# Altium PCB PCB4.PcbDoc (part 2 of 2)
Units mil, origin at the board's own origin, x right, y up, seen from the top; angles counter-clockwise.
Board outline 2730 x 2700 mil, 4 copper layers (Top Layer, Mid Layer 1, Mid Layer 2, Bottom Layer), stack 61.811 mil thick; 60 components, 114 nets, 427 pads, 240 vias.
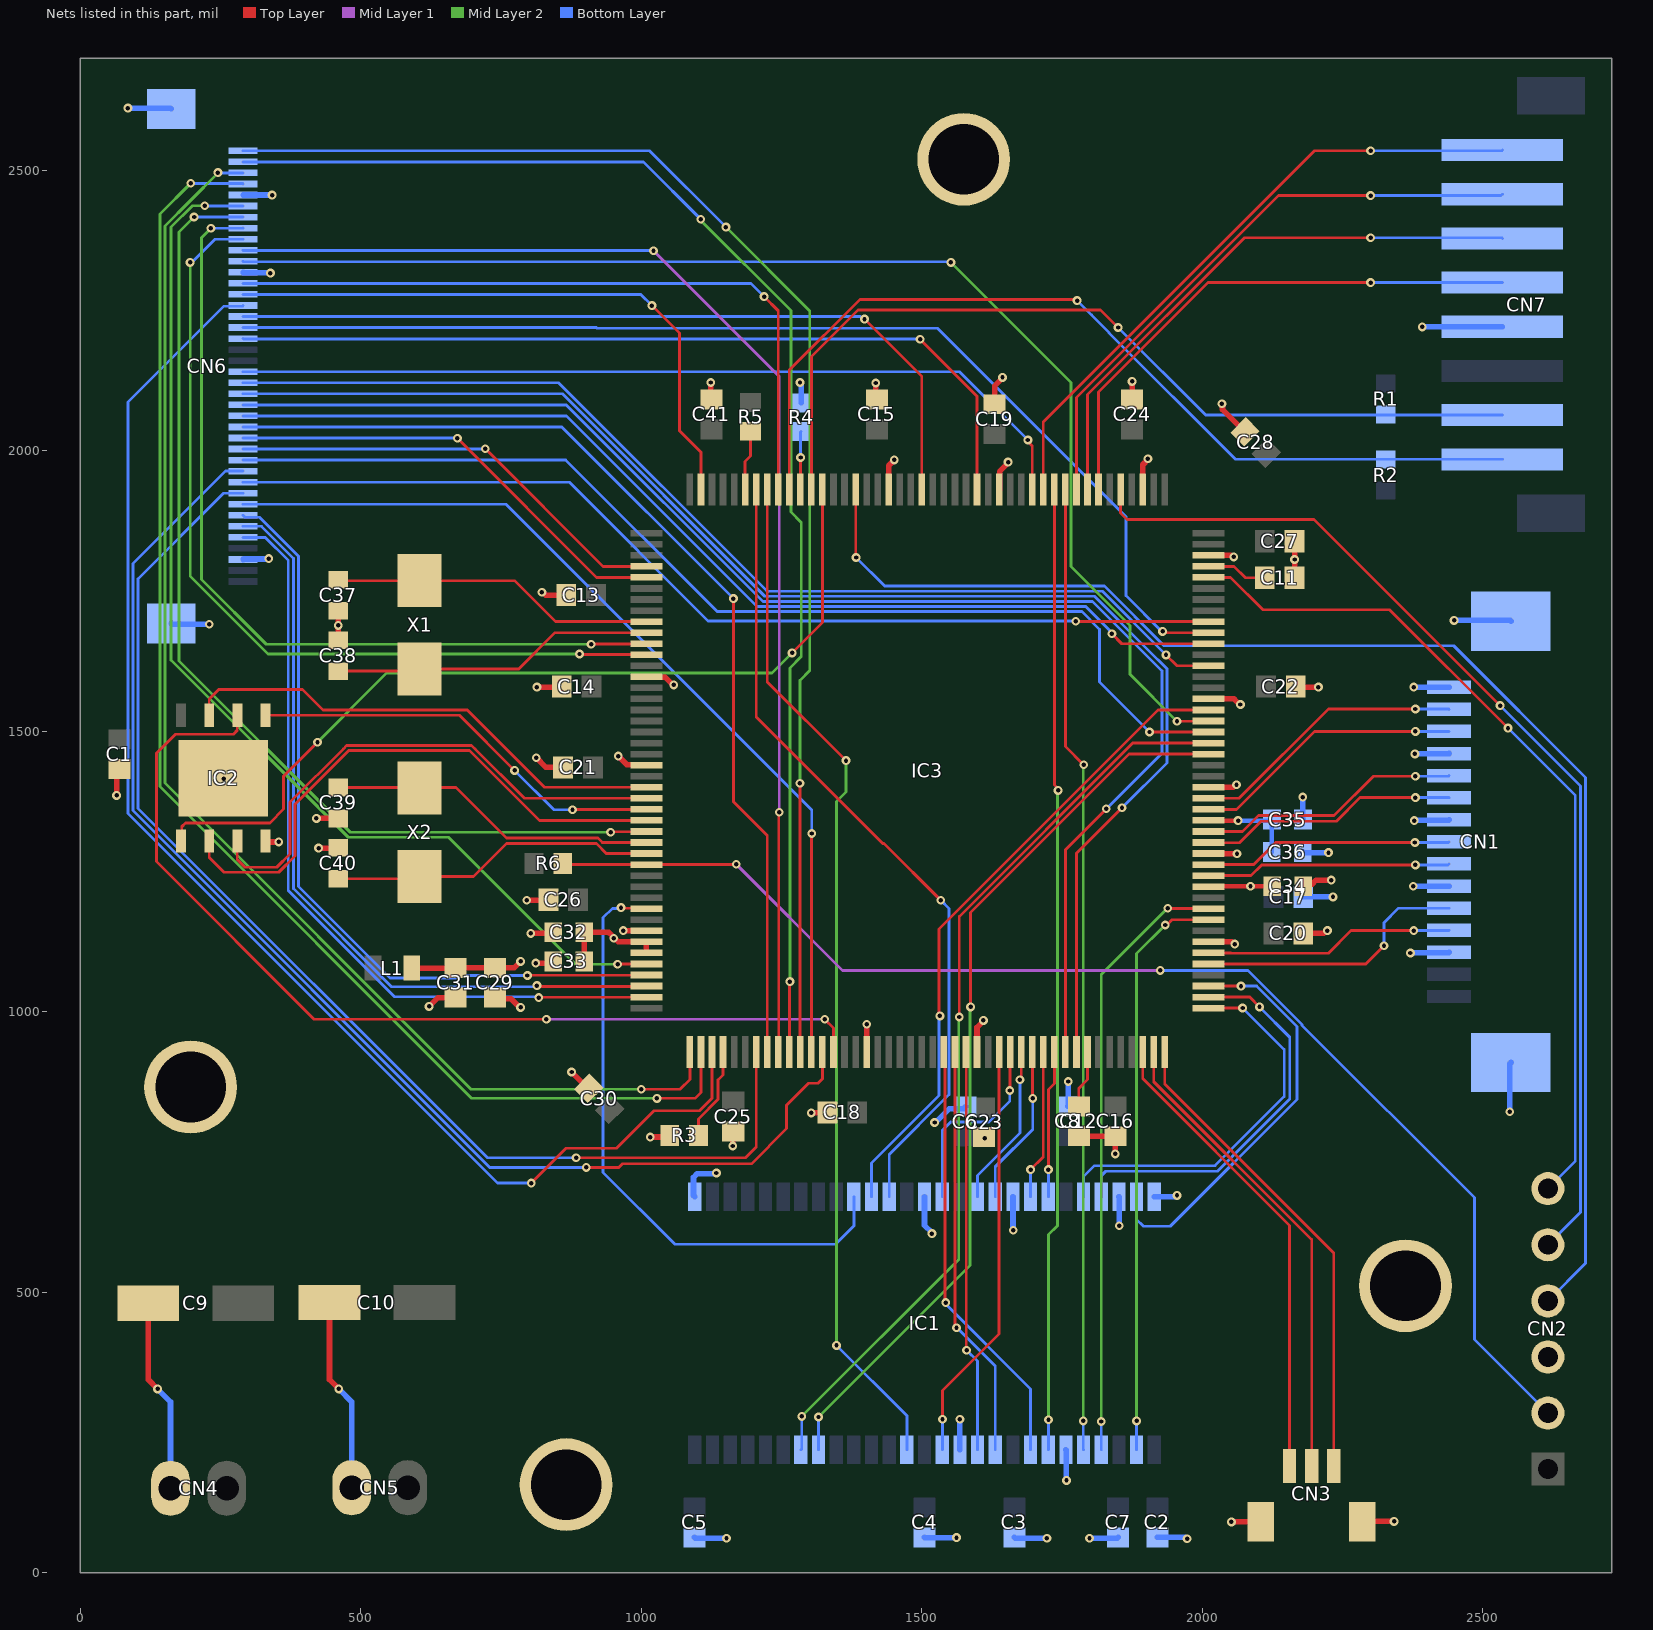
[diagram p4: the nets of this part, all layers, seen from the top]

## Via types
v1: diameter 15.75, hole 7.87, Top Layer to Bottom Layer, 240 vias

## Nets (pads, with @x,y where several pads share a name; then routed paths per layer and width w, separated by ;. In a path a pad name is that pad's centre, name@x,y a point inside that pad or via, vN(x,y) a via of type N, cw(c..) or ccw(c..) an arc to the next point about the centre after c; other vN are vias at no path point) (continued)
B2: CN6.23 IC3.150 | length 1517.3
  Top Layer w5: v1(1497,2199) 1598.58,2097.42 IC3.150@1598.58,1930.98
  Bottom Layer w5: CN6.23@290.32,2200.21 290.92,2199.61 1496.39,2199.61 v1(1497,2199)
B3: CN6.24 IC3.123 | length 2028.4
  Top Layer w5: v1(1929.23,1678.29) 1931.29,1676.24 1937.36,1676.24 1937.53,1676.06 IC3.123@2010.98,1676.06
  Bottom Layer w5: CN6.24@290.32,2219.9 920.12,2219.9 921.3,2218.72 1528.01,2218.72 1864,1882.73 1864,1742 1927.71,1678.29 v1(1929.23,1678.29)
B4: CN6.25 IC3.155 | length 1455.9
  Top Layer w5: v1(1398,2235) 1500.16,2132.84 IC3.155@1500.16,1930.98
  Bottom Layer w5: CN6.25@290.32,2239.58 1390.51,2239.58 1395.09,2235 v1(1398,2235)
B5: CN6.26 IC3.47 | length 2469.3
  Top Layer w5: v1(804,695) 866,757 956,757 1023,824 1104,824 1126.14,846.14 IC3.47@1126.14,929.02
  Bottom Layer w5: CN6.26@290.32,2259.27 289.05,2258 256,2258 85,2087 85,1354 744,695 v1(804,695)
B6: CN6.27 IC3.175 | length 1101.2
  Top Layer w5: v1(1019,2259) 1068,2210 1068,2036 1106.46,1997.54 IC3.175@1106.46,1930.98
  Bottom Layer w5: CN6.27@290.32,2278.95 999.05,2278.95 v1(1019,2259)
B7: CN6.28 IC3.168 | length 1293
  Top Layer w5: v1(1219,2275) 1244.25,2249.75 IC3.168@1244.25,1930.98
  Bottom Layer w5: CN6.28@290.32,2298.64 1195.36,2298.64 v1(1219,2275)
BA0: IC1.20 IC3.112 | length 1610.9
  Top Layer w5: v1(1587,1009) 1587,1177.27 1869.26,1459.53 IC3.112@2010.98,1459.53
  Mid Layer 2 w5: v1(1316,278) 1586,548 1586,1008 v1(1587,1009)
  Bottom Layer w5: IC1.20@1316.02,219.49 v1(1316,278)
BA1: IC1.21 IC3.113 | length 1639.6
  Top Layer w5: v1(1567,991) 1567,1170 1876.21,1479.21 IC3.113@2010.98,1479.21
  Mid Layer 2 w5: v1(1286,279) 1566,559 1566,990 v1(1567,991)
  Bottom Layer w5: IC1.21@1284.53,219.49 1286,220.96 v1(1286,279)
CAM_CS: CN7.1 IC3.144 | length 1139.7
  Top Layer w5: IC3.144@1716.69,1930.98 1716.69,2051.69 2200,2535 v1(2300,2535)
  Bottom Layer w5: v1(2300,2535) 2533.78,2535 CN7.1@2535,2536.22
CAM_MISO: CN7.3 IC3.140 | length 1025.3
  Top Layer w5: IC3.140@1795.43,1930.98 1795.43,2100.43 2075,2380 v1(2300,2380)
  Bottom Layer w5: v1(2300,2380) 2533.74,2380 CN7.3@2535,2378.74
CAM_MOSI: CN7.2 IC3.141 | length 1073.3
  Top Layer w5: IC3.141@1775.75,1930.98 1775.75,2094.89 2135.86,2455 v1(2300,2455)
  Bottom Layer w5: v1(2300,2455) 2532.52,2455 CN7.2@2535,2457.48
CAM_SCK: CN7.4 IC3.139 | length 974.7
  Top Layer w5: IC3.139@1815.12,1930.98 1815.12,2105.12 2010,2300 v1(2300,2300)
  Bottom Layer w5: v1(2300,2300) CN7.4@2535,2300
CAM_SCL: CN7.8 IC3.167 R2.1 | length 1654.7
  Top Layer w5: IC3.167@1263.94,1930.98 1263.94,2143.94 1390,2270 1775,2270 v1(1777,2268)
  Bottom Layer w5: v1(1777,2268) 1802.89,2242.11 1833.72,2211.28 1833.72,2210.47 2059.15,1985.04 2327,1985.04 CN7.8@2535,1985.04
CAM_SDA: CN7.7 IC3.165 R1.1 | length 1581
  Top Layer w5: IC3.165@1303.31,1930.98 1303.31,2168.31 1386.28,2251.28 1818.72,2251.28 v1(1850,2220)
  Bottom Layer w5: v1(1850,2220) 2006.22,2063.78 CN7.7@2535,2063.78
CKE: IC1.37 IC3.35 | length 1104.5
  Top Layer w5: v1(964,1186) 965.03,1184.97 1007.98,1184.97 IC3.35@1009.02,1183.94
  Bottom Layer w5: v1(964,1186) 962.65,1184.65 948.63,1184.65 932,1168.02 932,714 1060,586 1346,586 1379.02,619.02 IC1.37@1379.02,670.51
CLK: IC1.38 IC3.116 | length 1170.1
  Top Layer w5: v1(1532.28,993) 1531,994.28 1531,1148 1921.27,1538.27 IC3.116@2010.98,1538.27
  Bottom Layer w5: IC1.38@1410.51,670.51 1410.51,730.51 1531,851 1531,991.72 v1(1532.28,993)
CLKN: CN1.5 IC3.105 | length 470.2
  Top Layer w5: IC3.105@2010.98,1321.73 2071.73,1321.73 2100,1350 2235,1350 2305,1420 v1(2380,1420)
  Bottom Layer w5: v1(2380,1420) 2438.78,1420 CN1.5@2440,1421.22
CLKP: CN1.6 IC3.104 | length 462.6
  Top Layer w5: IC3.104@2010.98,1302.05 2011.49,1301.54 2066.54,1301.54 2105,1340 2239.14,1340 2281.14,1382 v1(2380,1382)
  Bottom Layer w5: v1(2380,1382) 2439.85,1382 CN1.6@2440,1381.85
CTP_IRQ: CN6.40 IC3.55 | length 2456.4
  Top Layer w5: v1(1282.81,1407.77) 1283.21,1407.36 1283.21,929.42 IC3.55@1283.62,929.02
  Mid Layer 2 w5: v1(1151,2399) 1300.36,2249.64 1300.36,1608.63 1282.81,1591.08 v1(1282.81,1407.77)
  Bottom Layer w5: CN6.40@290.32,2534.86 1015.14,2534.86 v1(1151,2399)
CTP_RST: CN6.39 IC3.54 | length 2425.1
  Top Layer w5: IC3.54@1263.94,929.02 1264.47,929.55 1264.47,1053.47 v1(1265,1054)
  Mid Layer 2 w5: v1(1106,2413) 1106,2411.02 1266.72,2250.3 1266.72,1891.28 1285.29,1872.71 1285.29,1633.27 1265,1612.98 v1(1265,1054)
  Bottom Layer w5: CN6.39@290.32,2515.17 1003.83,2515.17 v1(1106,2413)
CTP_SCL: CN6.38 IC3.45 | length 2390.7
  Top Layer w5: v1(1000,862.28) 1069.28,862.28 1086.77,879.77 IC3.45@1086.77,929.02
  Mid Layer 2 w5: v1(245.45,2496.12) 245.45,2495.2 196.26,2446.01 151,2400.75 151,1408 696.72,862.28 v1(1000,862.28)
  Bottom Layer w5: v1(245.45,2496.12) 246.08,2495.49 CN6.38@290.32,2495.49
CTP_SDA: CN6.37 IC3.46 | length 2463.2
  Top Layer w5: v1(1028,846) 1096,846 1106.46,856.46 IC3.46@1106.46,929.02
  Mid Layer 2 w5: v1(197,2477) 142,2422 142,1402 698,846 v1(1028,846)
  Bottom Layer w5: v1(197,2477) 197.6,2476.4 289.72,2476.4 CN6.37@290.32,2475.8
D0N: CN1.8 IC3.102 | length 445.8
  Top Layer w5: IC3.102@2010.98,1262.68 2091.68,1262.68 2131,1302 v1(2379,1302)
  Bottom Layer w5: v1(2379,1302) 2438.89,1302 CN1.8@2440,1303.11
D0P: CN1.9 IC3.101 | length 437.6
  Top Layer w5: IC3.101@2010.98,1242.99 2086.99,1242.99 2106,1262 v1(2380,1262)
  Bottom Layer w5: v1(2380,1262) 2438.26,1262 CN1.9@2440,1263.74
D1N: CN1.2 IC3.108 | length 495.2
  Top Layer w5: IC3.108@2010.98,1380.79 2065.79,1380.79 2225,1540 v1(2380,1540)
  Bottom Layer w5: v1(2380,1540) 2439.33,1540 CN1.2@2440,1539.33
D1P: CN1.3 IC3.107 | length 486.6
  Top Layer w5: IC3.107@2010.98,1361.1 2061.16,1361.1 2200.06,1500 v1(2380,1500)
  Bottom Layer w5: v1(2380,1500) CN1.3@2440,1499.96 CN1.3@2440,1499.96
DE: CN6.34 IC3.28 | length 1850
  Top Layer w5: v1(945.52,1320.34) 946.22,1321.03 1008.32,1321.03 IC3.28@1009.02,1321.73
  Mid Layer 2 w5: v1(203,2417) 176,2390 176,1625.75 481.41,1320.34 v1(945.52,1320.34)
  Bottom Layer w5: v1(203,2417) 203.13,2416.87 290.19,2416.87 CN6.34@290.32,2416.75
DISP: CN6.31 IC3.53 | length 2253.2
  Top Layer w5: IC3.53@1244.25,929.02 1245.13,929.89 1245.13,1355.13 v1(1246,1356)
  Mid Layer 1 w5: v1(1021.83,2356.79) 1246,2132.62 v1(1246,1356)
  Bottom Layer w5: CN6.31@290.32,2357.69 290.77,2357.24 1021.38,2357.24 v1(1021.83,2356.79)
DQ0: IC1.2 IC3.97 | length 1037.5
  Top Layer w5: v1(1934,1155) 1936.91,1155 1946.16,1164.25 IC3.97@2010.98,1164.25
  Mid Layer 2 w5: v1(1883,271) 1883,1104 v1(1934,1155)
  Bottom Layer w5: IC1.2@1882.95,219.49 1882.95,222.95 1883,223 v1(1883,271)
DQ1: IC1.4 IC3.98 | length 1087.5
  Top Layer w5: v1(1938.42,1184.97) 1938.93,1184.46 2010.47,1184.46 IC3.98@2010.98,1183.94
  Mid Layer 2 w5: v1(1820,270) 1820,1066.56 v1(1938.42,1184.97)
  Bottom Layer w5: IC1.4@1819.96,219.49 IC1.4@1819.96,219.49 v1(1820,270)
DQ2: IC1.5 IC3.142 | length 1725.4
  Top Layer w5: IC3.142@1756.06,1930.98 1756.06,1473.29 v1(1788.63,1440.72)
  Mid Layer 2 w5: v1(1788,271) 1788,1440.08 v1(1788.63,1440.72)
  Bottom Layer w5: v1(1788,271) 1788,219.95 IC1.5@1788.46,219.49
DQ3: IC1.7 IC3.143 | length 1721.5
  Top Layer w5: IC3.143@1736.38,1930.98 1736.38,1404.53 1743,1397.91 v1(1743,1395)
  Mid Layer 2 w5: v1(1726,273) 1726,603 1742,619 1742,1394 v1(1743,1395)
  Bottom Layer w5: IC1.7@1725.47,219.49 1726,220.02 v1(1726,273)
DQ4: IC1.8 IC3.68 | length 773.5
  Top Layer w5: IC3.68@1539.53,929.02 1541.23,927.31 1541.23,483.61 v1(1542.93,481.91)
  Bottom Layer w5: v1(1542.93,481.91) 1542.93,479.09 1693.98,328.05 IC1.8@1693.98,219.49
DQ5: IC1.10 IC3.69 | length 739.9
  Top Layer w5: IC3.69@1559.21,929.02 1559.21,442.7 1562,439.91 v1(1562,437)
  Bottom Layer w5: v1(1562,437) 1563.02,437 1630.98,369.04 IC1.10@1630.98,219.49
DQ6: IC1.11 IC3.70 | length 718.1
  Top Layer w5: IC3.70@1578.9,929.02 1579.45,928.47 1579.45,397.55 v1(1580,397)
  Bottom Layer w5: v1(1580,397) 1599.49,377.51 IC1.11@1599.49,219.49
DQ7: IC1.13 IC3.73 | length 751.6
  Top Layer w5: v1(1537,274) 1537,325 1637.95,425.95 IC3.73@1637.95,929.02
  Bottom Layer w5: IC1.13@1536.5,219.49 1537,219.99 v1(1537,274)
DQ8: IC1.42 IC3.74 | length 348.5
  Top Layer w5: v1(1657,860) 1657.32,860.32 1657.32,928.7 IC3.74@1657.64,929.02
  Bottom Layer w5: IC1.42@1536.5,670.51 1536.5,788.5 1551.62,803.62 1619.62,803.62 1657,841 v1(1657,860)
DQ9: IC1.44 IC3.75 | length 290.7
  Top Layer w5: v1(1675,879) 1677.32,881.32 IC3.75@1677.32,929.02
  Bottom Layer w5: IC1.44@1599.49,670.51 1599.49,708.49 1675,784 v1(1675,879)
DQ10: IC1.45 IC3.76 | length 286.7
  Top Layer w5: IC3.76@1697.01,929.02 1697.5,928.52 1697.5,846.5 v1(1698,846)
  Bottom Layer w5: IC1.45@1630.98,670.51 1631,724 1698,791 v1(1698,846)
DQ11: IC1.47 IC3.77 | length 267.9
  Top Layer w5: v1(1694,719) 1716.69,741.69 IC3.77@1716.69,929.02
  Bottom Layer w5: IC1.47@1693.98,670.51 v1(1694,719)
DQ12: IC1.48 IC3.78 | length 263
  Top Layer w5: v1(1725.72,719) 1726,719.28 1726,862 1736.38,872.38 IC3.78@1736.38,929.02
  Bottom Layer w5: IC1.48@1725.47,670.51 1725.72,670.76 v1(1725.72,719)
DQ13: IC1.50 IC3.89 | length 702.1
  Top Layer w5: IC3.89@2010.98,1006.77 2011.1,1006.89 2071.89,1006.89 v1(2072,1007)
  Bottom Layer w5: IC1.50@1788.46,670.51 1788.46,706.46 1808,726 2022.72,726 2146,849.28 2146,933 v1(2072,1007)
DQ14: IC1.51 IC3.90 | length 714.8
  Top Layer w5: IC3.90@2010.98,1026.46 2084.54,1026.46 v1(2102,1009)
  Bottom Layer w5: IC1.51@1819.96,670.51 1819.96,707.96 1828,716 2026.86,716 2156,845.14 2156,955 v1(2102,1009)
DQ15: IC1.53 IC3.91 | length 743
  Top Layer w5: IC3.91@2010.98,1046.14 2011.06,1046.07 2068.93,1046.07 v1(2069,1046)
  Bottom Layer w5: IC1.53@1882.95,670.51 1882.95,630.05 1895,618 1943,618 2169,844 2169,974 2097,1046 v1(2069,1046)
DQMH: IC1.39 IC3.170 | length 1448.1
  Top Layer w5: IC3.170@1204.88,1930.98 1204.94,1930.93 1204.94,1526.04 1430.59,1300.38 1432.62,1300.38 v1(1534,1199)
  Bottom Layer w5: IC1.39@1442.01,670.51 1442.01,746.01 1548.56,852.56 1548.56,1184.44 v1(1534,1199)
DQML: IC1.15 IC3.169 | length 1828.6
  Top Layer w5: IC3.169@1224.57,1930.98 1224.57,1588.43 v1(1365,1448)
  Mid Layer 2 w5: v1(1348.11,405.68) 1348.11,1375.11 1365,1392 v1(1365,1448)
  Bottom Layer w5: v1(1348.11,405.68) 1473.5,280.28 IC1.15@1473.5,219.49
DSI_VDD12: C34.1 C35.1 C36.1 IC3.100 IC3.106 | length 282.8
  Top Layer w8: IC3.100@2010.98,1223.31 2011.33,1223.65 2085.65,1223.65 v1(2086,1224) C34.1@2125,1224 ; IC3.106@2011.15,1341.58 IC3.106@2010.98,1341.42 2011.19,1341.21 2063.79,1341.21 v1(2064,1341)
  Bottom Layer w8: v1(2064,1341) 2122.44,1341 2124,1339.44 C36.1@2124,1285
F_CS: IC2.1 IC3.164 | length 1590.1
  Top Layer w5: IC2.1@180,1304.45 181,1305.45 181,1330 188,1337 338,1337 362.47,1361.47 362.47,1420.19 v1(423,1480.72) ; v1(1269.01,1640.01) 1322.99,1693.99 IC3.164@1322.99,1930.98
  Mid Layer 2 w5: v1(423,1480.72) 546.28,1604 1233,1604 v1(1269.01,1640.01)
G0: CN6.13 IC3.4 | length 805.9
  Top Layer w5: v1(722,2004) 931.83,1794.17 IC3.4@1009.02,1794.17
  Bottom Layer w5: CN6.13@290.32,2003.36 290.63,2003.68 721.68,2003.68 v1(722,2004)
G1: CN6.14 IC3.5 | length 821.7
  Top Layer w5: v1(672.26,2022.63) 920.4,1774.49 IC3.5@1009.02,1774.49
  Bottom Layer w5: CN6.14@290.32,2023.05 671.84,2023.05 v1(672.26,2022.63)
G2: CN6.15 IC3.52 | length 1833.4
  Top Layer w5: v1(1164.28,1736.8) 1164.28,1374.62 1224.57,1314.33 IC3.52@1224.57,929.02
  Bottom Layer w5: CN6.15@290.32,2042.73 858.34,2042.73 v1(1164.28,1736.8)
G3: CN6.16 IC3.122 | length 1890
  Top Layer w5: v1(1839,1674) 1856.62,1656.38 IC3.122@2010.98,1656.38
  Bottom Layer w5: CN6.16@290.32,2062.42 866.58,2062.42 1206.5,1722.5 1792.4,1722.5 1839,1675.9 v1(1839,1674)
G4: CN6.17 IC3.79 | length 2584.3
  Top Layer w5: IC3.79@1756.06,929.02 1756.06,1289.15 v1(1828.97,1362.06)
  Bottom Layer w5: CN6.17@290.32,2082.1 866.4,2082.1 1217,1731.5 1804.52,1731.5 1928,1608.02 1928,1461.09 v1(1828.97,1362.06)
G5: CN6.18 IC3.80 | length 2599.2
  Top Layer w5: IC3.80@1775.75,929.02 1775.75,1282.75 v1(1857,1364)
  Bottom Layer w5: CN6.18@290.32,2101.79 859.44,2101.79 1220.23,1741 1807.75,1741 1903.38,1645.38 1937,1611.75 1937,1444 v1(1857,1364)
G6: CN6.19 IC3.120 | length 1929.6
  Top Layer w5: v1(1935.39,1636.39) 1954.77,1617.01 IC3.120@2010.98,1617.01
  Bottom Layer w5: CN6.19@290.32,2121.47 852.48,2121.47 1223.96,1750 1821.77,1750 v1(1935.39,1636.39)
G7: CN6.20 IC3.145 | length 1541
  Top Layer w5: v1(1689.13,2019.46) 1689.13,2016.55 1697.01,2008.68 IC3.145@1697.01,1930.98
  Bottom Layer w5: CN6.20@290.32,2141.16 1567.44,2141.16 v1(1689.13,2019.46)
GND: C1.1 C2.1 C3.1 C4.1 C5.1 C6.1 C7.1 C8.1 C9.2 C10.2 C11.1 C12.1 C13.1 C14.1 C15.1 C16.1 C17.1 C18.1 C19.1 C20.1 C21.1 C22.1 C23.1 C24.1 C25.1 C26.1 C27.1 C28.1 C29.1 C30.1 C31.1 C32.2 C33.2 C34.2 C35.2 C36.2 C37.2 C38.2 C39.2 C40.2 C41.1 CN1.1 CN1.4 CN1.7 CN1.10 CN1.13 CN1.MP1 CN1.MP2 CN2.3 CN3.MP1 CN3.MP2 CN4.2 CN5.2 CN6.3 CN6.29 CN6.36 CN6.41 CN6.42 CN7.5 IC1.6 IC1.12 IC1.28 IC1.41 IC1.46 IC1.52 IC1.54 IC2.4 IC2.9 IC3.14 IC3.22 IC3.37 IC3.61 IC3.71 IC3.95 IC3.103 IC3.109 IC3.117 IC3.130 IC3.135 IC3.148 IC3.158 pad.2 R3.2 R4.2 | length 4642.7
  Top Layer w10: v1(65,1386) 65,1427.87 C1.1@70,1432.87 ; C9.2@121.35,481 121.35,344.65 v1(138,328) ; IC2.9@255,1416.65 255.35,1416.65 v1(256,1416) ; IC2.4@330,1304.45 331.45,1303 v1(354,1303) ; v1(421,1345) 459.88,1345 C39.2@460,1344.88 ; v1(425,1292) 456,1292 457,1293 457.44,1292.56 C40.2@460,1292.56 ; C10.2@444.35,482 444.35,344.65 v1(461,328) ; C38.2@460,1662.56 v1(460,1689) C37.2@460,1715 ; v1(622,1010) 637.43,1025.43 C31.1@669,1025.43 ; C29.1@739,1025.43 740.81,1023.62 767.83,1023.62 783.44,1008 v1(785,1008) ; v1(796,1199) 833.42,1199 C26.1@834.42,1200 ; v1(803,1140) 841.44,1140 C32.2@843.44,1142 ; v1(812,1087) 840.44,1087 C33.2@843.44,1090 ; v1(813,1453) 830,1436 C21.1@860.85,1436 ; v1(814,1579) 857.43,1579 C14.1@858.43,1580 ; v1(823,1748) 824.56,1748 829.56,1743 C13.1@866.43,1743 ; v1(876,893) 905.21,863.79 C30.1@906.21,863.79 ; v1(959,1456) 974.26,1440.74 1008.11,1440.74 IC3.22@1009.02,1439.84 ; v1(968,1145) 968.22,1144.78 1008.8,1144.78 IC3.37@1009.02,1144.57 ; IC3.14@1009.02,1597.32 1009.92,1596.42 1043.03,1596.42 1056.44,1583 v1(1058,1583) ; v1(1016,777) 1047.82,777 R3.2@1050.82,780 ; v1(1124,2122) 1124,2097 1125,2096 C41.1@1125,2091.57 ; v1(1163,761) 1163,786 C25.1@1164,787 ; v1(1303,820) 1331,820 C18.1@1332,821 ; IC3.61@1401.73,929.02 1401.87,929.15 1401.87,977.87 v1(1402,978) ; v1(1418,2121) 1418,2093.57 C15.1@1420,2091.57 ; IC3.158@1441.1,1930.98 1441.1,1974.1 v1(1451,1984) ; IC3.71@1598.58,929.02 1598.58,972.56 1610,983.98 v1(1610,985) ; C23.1@1611,776.85 1611,776 v1(1612,775) ; C19.1@1630,2083.15 1630,2115.86 1644,2129.86 v1(1644,2131) ; IC3.148@1637.95,1930.98 1638.86,1931.89 1638.86,1963.3 1654,1978.44 v1(1654,1980) ; C12.1@1780,778.43 C16.1@1845,778.43 v1(1845,747) ; C24.1@1875,2091.57 v1(1875,2124) ; IC3.135@1893.86,1930.98 1893.86,1975.3 1903,1984.44 v1(1903,1986) ; IC3.95@2010.98,1124.88 2052.56,1124.88 2056.44,1121 v1(2058,1121) ; IC3.103@2010.98,1282.36 2011.16,1282.18 2061.82,1282.18 v1(2062,1282) ; IC3.109@2010.98,1400.47 2054.92,1400.47 2059.44,1405 v1(2061,1405) ; IC3.117@2010.98,1557.95 2056.49,1557.95 2066.44,1548 v1(2068,1548) ; IC3.130@2010.98,1813.86 2051.59,1813.86 2054.44,1811 v1(2056,1811) ; v1(2035,2084) 2036.1,2082.9 2036.1,2073.9 C28.1@2076.21,2033.79 ; v1(2052,91) 2104.35,91 CN3.MP1@2104.45,91.1 ; C11.1@2164.57,1774 v1(2164.57,1806.5) C27.1@2164.57,1839 ; C22.1@2166.57,1580 2167.57,1579 v1(2207,1579) ; C20.1@2180,1140 2216.44,1140 2221.44,1145 v1(2223,1145) ; C34.2@2180.12,1224 2184.12,1228 2196,1228 2203,1235 v1(2230,1235) ; CN3.MP2@2285.55,91.1 2286.45,92 v1(2342,92)
  Bottom Layer w10: v1(85,2611) 161.02,2611 CN6.42@162.36,2609.66 ; v1(138,328) 161,305 CN4.2@161,151 ; CN6.41@162.36,1692.34 163.7,1691 v1(230,1691) ; CN6.3@290.32,1806.51 291.06,1807.26 335.26,1807.26 v1(336,1808) ; CN6.29@290.32,2318.32 290.98,2317.66 338.34,2317.66 v1(339,2317) ; CN6.36@290.32,2456.12 290.37,2456.06 341.94,2456.06 v1(342,2456) ; v1(461,328) 484,305 CN5.2@484,152 ; C5.1@1095,63.43 1096.43,62 v1(1152,62) ; IC1.28@1095.55,670.51 1093.15,672.92 1093.15,705.15 1099.9,711.9 1132.9,711.9 v1(1134,713) ; v1(1283,2122) 1283,2120.44 1285,2118.44 R4.2@1285,2085.59 ; C4.1@1505,63.43 1505.43,63 v1(1562,63) ; IC1.41@1505,670.51 1505,619.56 1518,606.56 v1(1518,605) ; v1(1523,803) 1524.49,803 1549.17,827.69 1574.54,827.69 C6.1@1578,831.15 ; IC1.12@1567.99,219.49 v1(1568,274) ; IC1.46@1662.48,670.51 1662.74,670.25 1662.74,611.26 v1(1663,611) ; C3.1@1665,63.43 1666.43,62 v1(1723,62) ; IC1.6@1756.97,219.49 1757.48,218.97 1757.48,165.52 v1(1758,165) ; C8.1@1760,831.57 1761,832.57 v1(1761,876) ; v1(1799,62) 1848.57,62 C7.1@1850,63.43 ; IC1.52@1851.46,670.51 1851.73,670.24 1851.73,619.27 v1(1852,619) ; IC1.54@1914.45,670.51 1950.96,670.51 1953.44,673 v1(1955,673) ; C2.1@1920,63.43 1969.02,63.43 1971.44,61 v1(1973,61) ; v1(2179,1383) 2179,1343.56 C35.2@2179.56,1343 ; C36.2@2179.12,1285 2180.12,1284 v1(2225,1284) ; C17.1@2180,1205 v1(2233,1205) ; v1(2371,1105) 2371.63,1105.63 2439.37,1105.63 CN1.13@2440,1106.26 ; v1(2376,1224) 2376.19,1224.18 2439.81,1224.18 CN1.10@2440,1224.37 ; v1(2377,1579) 2377.15,1578.85 2439.85,1578.85 CN1.1@2440,1578.7 ; v1(2378,1341) 2378.74,1341.74 2439.26,1341.74 CN1.7@2440,1342.48 ; v1(2379,1460) 2379.3,1460.3 2439.7,1460.3 CN1.4@2440,1460.59 ; v1(2392,2221) 2534.74,2221 CN7.5@2535,2221.26 ; v1(2449,1698) 2548.65,1698 CN1.MP1@2550.24,1696.42 ; v1(2548,822) 2548,907.57 CN1.MP2@2550.24,909.8
GPU_MISO: CN3.2 IC3.87 | length 855.1
  Top Layer w5: IC3.87@1913.54,929.02 1913.54,875.6 2195,594.14 CN3.2@2195,190.51
GPU_MOSI: CN3.3 IC3.88 | length 863.2
  Top Layer w5: IC3.88@1933.23,929.02 1933.23,871.77 2234.37,570.63 CN3.3@2234.37,190.51
GPU_SCK: CN3.1 IC3.86 | length 846.9
  Top Layer w5: IC3.86@1893.86,929.02 1893.86,881.14 2155.63,619.37 CN3.1@2155.63,190.51
HSYNC: CN6.32 IC3.12 | length 1541.6
  Top Layer w5: v1(890,1638) 890.65,1637.35 1008.36,1637.35 IC3.12@1009.02,1636.69
  Mid Layer 2 w5: v1(196,2336) 196,1777 335,1638 v1(890,1638)
  Bottom Layer w5: v1(196,2336) 198.91,2336 240.29,2377.38 CN6.32@290.32,2377.38
JTCK: CN2.5 IC3.137 | length 1904.5
  Top Layer w5: IC3.137@1854.49,1930.98 1854.49,1889.51 1866,1878 2199,1878 v1(2531,1546)
  Bottom Layer w5: v1(2531,1546) 2674,1403 2674,643 CN2.5@2616,585
JTDO: CN2.4 IC3.161 | length 2544.5
  Top Layer w5: IC3.161@1382.05,1930.98 1382.52,1930.51 1382.52,1810.48 v1(1383,1810)
  Bottom Layer w5: v1(1383,1810) 1434,1759 1825.5,1759 1931.83,1652.67 2448.33,1652.67 2683,1418 2683,552 CN2.4@2616,485
JTMS: CN2.6 IC3.128 | length 1536.2
  Top Layer w5: IC3.128@2010.98,1774.49 2050.51,1774.49 2108,1717 2334,1717 v1(2545,1506)
  Bottom Layer w5: v1(2545,1506) 2665,1386 2665,734 CN2.6@2616,685
L_CLK: CN6.30 IC3.115 | length 2303.7
  Top Layer w5: v1(1955,1518) 1955.29,1518.29 2010.69,1518.29 IC3.115@2010.98,1518.58
  Mid Layer 2 w5: v1(1552,2336) 1766,2122 1766,1794 1871,1689 1871,1602 v1(1955,1518)
  Bottom Layer w5: CN6.30@290.32,2338.01 291.32,2337 1551,2337 v1(1552,2336)
NetC11_2: C11.2 IC3.129 | length 108.8
  Top Layer w5: IC3.129@2010.98,1794.17 2056.83,1794.17 2077,1774 C11.2@2111.43,1774
NetC12_2: C12.2 IC3.81 | length 103.8
  Top Layer w5: C12.2@1780,831.57 1780,864 1795.43,879.43 IC3.81@1795.43,929.02
NetIC3_48: IC3.48 R3.1 | length 167.2
  Top Layer w5: R3.1@1102,780 1102,809.27 1137,844.27 1137,879 1145.83,887.83 IC3.48@1145.83,929.02
NetIC3_166: IC3.166 R4.1 | length 104
  Top Layer w5: IC3.166@1283.62,1930.98 1283.85,1931.21 1283.85,1988.05 v1(1284.08,1988.27)
  Bottom Layer w5: v1(1284.08,1988.27) 1284.08,2033.49 R4.1@1285,2034.41
NetIC3_171: IC3.171 R5.2 | length 108.1
  Top Layer w5: IC3.171@1185.2,1930.98 1185.2,1981.2 1195,1991 R5.2@1195,2035
NRST: CN2.2 IC3.31 R6.1 | length 2311.7
  Top Layer w5: R6.1@860,1265 862.32,1262.68 IC3.31@1009.02,1262.68 1168.87,1262.68 v1(1169.49,1263.3)
  Mid Layer 1 w5: v1(1169.49,1263.3) 1358.78,1074 v1(1925,1074)
  Bottom Layer w5: v1(1925,1074) 2081.73,1074 2178,977.73 2178,976 2485,669 2485,416 CN2.2@2616,285
OSC32_IN: C37.1 IC3.9 X1.1 | length 579.8
  Top Layer w5: C37.1@460,1770.12 461.38,1768.74 X1.1@605,1768.74 774.26,1768.74 847.25,1695.75 IC3.9@1009.02,1695.75
OSC32_OUT: C38.1 IC3.10 X1.2 | length 577.4
  Top Layer w5: C38.1@460,1607.44 601.18,1607.44 X1.2@605,1611.26 781.72,1611.26 846.53,1676.06 IC3.10@1009.02,1676.06
OSC_IN: C39.1 IC3.29 X2.1 | length 589.6
  Top Layer w5: C39.1@460,1400 605,1400 670,1400 760,1310 922.73,1310 930.68,1302.05 IC3.29@1009.02,1302.05
OSC_OUT: C40.1 IC3.30 X2.2 | length 582.2
  Top Layer w5: C40.1@460,1237.44 601.18,1237.44 X2.2@605,1241.26 701.26,1241.26 760,1300 920,1300 937.64,1282.36 IC3.30@1009.02,1282.36
PWM: CN6.35 IC3.40 | length 1988
  Top Layer w5: v1(958,1085) 958.26,1085.26 1008.76,1085.26 IC3.40@1009.02,1085.51
  Mid Layer 2 w5: v1(222,2437) 199.98,2437 162,2399.02 162,1627.02 477.69,1311.34 656.69,1311.34 883.02,1085 v1(958,1085)
  Bottom Layer w5: v1(222,2437) 222.28,2436.72 290.03,2436.72 CN6.35@290.32,2436.43
R0: CN6.5 IC3.43 | length 1403.8
  Top Layer w5: v1(817.21,1025.59) 817.65,1026.02 1008.58,1026.02 IC3.43@1009.02,1026.46
  Bottom Layer w5: CN6.5@290.32,1845.88 329.93,1845.88 371,1804.82 371,1216 560,1027 815.8,1027 v1(817.21,1025.59)
R1: CN6.6 IC3.42 | length 1405.2
  Top Layer w5: v1(814,1047) 815.43,1045.57 1008.44,1045.57 IC3.42@1009.02,1046.14
  Bottom Layer w5: CN6.6@290.32,1865.57 322.98,1865.57 380,1808.54 380,1219.73 554.73,1045 812,1045 v1(814,1047)
R2: CN6.7 IC3.41 | length 1407.5
  Top Layer w5: v1(797,1065) 797.41,1065.41 1008.6,1065.41 IC3.41@1009.02,1065.83
  Bottom Layer w5: CN6.7@290.32,1885.25 293.72,1881.85 319.43,1881.85 389,1812.27 389,1223.46 551.97,1060.49 670.77,1060.49 675.28,1065 v1(797,1065)
R3: CN6.8 IC3.56 | length 1670.7
  Top Layer w5: IC3.56@1303.31,929.02 1303.65,929.36 1303.65,1317.65 v1(1304,1318)
  Bottom Layer w5: CN6.8@290.32,1904.94 759.08,1904.94 1304,1360.02 v1(1304,1318)
R4: CN6.9 IC3.51 | length 2197.6
  Top Layer w5: v1(884,740) 1186,740 1204.88,758.88 IC3.51@1204.88,929.02
  Bottom Layer w5: CN6.9@290.32,1924.62 255.62,1924.62 103,1772 103,1362.73 725.73,740 v1(884,740)
R5: CN6.10 IC3.124 | length 1823.6
  Top Layer w5: v1(1774.63,1696.37) 1775.25,1695.75 IC3.124@2010.98,1695.75
  Bottom Layer w5: CN6.10@290.32,1944.31 871.69,1944.31 1119,1697 1774,1697 v1(1774.63,1696.37)
R6: CN6.11 IC3.57 | length 2335
  Top Layer w5: v1(902,723) 960,723 966.28,729.28 1196.28,729.28 1259,792 1259,833.73 1298.27,873 1315,873 1322.99,880.99 IC3.57@1322.99,929.02
  Bottom Layer w5: CN6.11@290.32,1963.99 258.99,1963.99 94,1799 94,1359 730,723 v1(902,723)
R7: CN6.12 IC3.114 | length 1976.4
  Top Layer w5: v1(1906,1499) 1906.05,1498.95 2010.83,1498.95 IC3.114@2010.88,1499
  Bottom Layer w5: CN6.12@290.32,1983.68 865.32,1983.68 1135.5,1713.5 1785.5,1713.5 1817,1682 1817,1588 v1(1906,1499)
SCL1: CN1.11 IC3.93 | length 494.2
  Top Layer w5: IC3.93@2010.98,1085.51 2291.51,1085.51 v1(2324,1118)
  Bottom Layer w5: v1(2324,1118) 2324,1159 2350,1185 CN1.11@2440,1185
SCLK: IC2.6 IC3.58 | length 1752.7
  Top Layer w5: IC2.6@280,1528.86 280,1502 273,1495 170,1495 136,1461 136,1268 417,987 v1(831,987) ; v1(1327,987) 1342.68,971.32 IC3.58@1342.68,929.02
  Mid Layer 1 w5: v1(831,987) v1(1327,987)
SDA1: CN1.12 IC3.94 | length 446.2
  Top Layer w5: IC3.94@2010.98,1105.2 2050.78,1105.2 2051.26,1104.72 2224.72,1104.72 2265,1145 v1(2377,1145)
  Bottom Layer w5: v1(2377,1145) 2439.37,1145 CN1.12@2440,1145.63
SIO0: IC2.5 IC3.26 | length 749.1
  Top Layer w5: IC2.5@330,1528.86 676.12,1528.86 v1(774.39,1430.6) ; v1(877.52,1360.43) 877.86,1360.77 1008.68,1360.77 IC3.26@1009.02,1361.1
  Bottom Layer w5: v1(774.39,1430.6) 844.55,1360.43 v1(877.52,1360.43)
SIO1: IC2.2 IC3.27 | length 1014.8
  Top Layer w5: IC2.2@230,1304.45 230,1275 256,1249 354,1249 383,1278 383,1370.27 478.73,1466 694,1466 818.58,1341.42 IC3.27@1009.02,1341.42
SIO2: IC2.3 IC3.25 | length 950.2
  Top Layer w5: IC2.3@280,1304.45 280,1272 294,1258 350.27,1258 374,1281.73 374,1374 469,1469 475,1475 697.73,1475 703.73,1469 791.94,1380.79 IC3.25@1009.02,1380.79
SIO3: IC2.7 IC3.24 | length 887.5
  Top Layer w5: IC2.7@230,1528.86 230,1558 247,1575 396,1575 433,1538 690,1538 827.53,1400.47 IC3.24@1009.02,1400.47
VDDA: C29.2 C31.2 C32.1 C33.1 IC3.38 IC3.39 L1.1 | length 389.8
  Top Layer w10: L1.1@591,1078 668.43,1078 C31.2@669,1078.57 C29.2@739,1078.57 773.57,1078.57 v1(785,1090) ; C33.1@898.56,1090 C32.1@898.56,1142 942.44,1142 942.44,1141.68 951.09,1133.03 v1(951.09,1131.47) ; v1@951.44,1133 951.44,1132.68 959.24,1124.88 IC3.38@1009.02,1124.88 IC3.39@1009.02,1105.2
VSYNC: CN6.33 IC3.11 | length 1531.7
  Top Layer w5: v1(910.66,1655.34) 911.17,1655.86 1008.5,1655.86 IC3.11@1009.02,1656.38
  Mid Layer 2 w5: v1(233,2397) 216,2380 216,1771 331.66,1655.34 v1(910.66,1655.34)
  Bottom Layer w5: v1(233,2397) CN6.33@290.28,2397.03
pads on no net: CN7.9 CN7.10 IC1.40 IC3.1 IC3.2 IC3.7 IC3.8 IC3.13 IC3.33 IC3.34 IC3.50 IC3.83 IC3.84 IC3.85 IC3.92 IC3.111 IC3.119 IC3.121 IC3.126 IC3.127 IC3.132 IC3.133 IC3.134 IC3.138 IC3.146 IC3.147 IC3.151 IC3.152 IC3.153 IC3.154 IC3.156 IC3.157 IC3.162 IC3.163 IC3.173 IC3.174 IC3.176

## Polygon pours and split planes (outlines as drawn)
3V3 on Mid Layer 1 "VDDA" (solid, pour order 2): 0,2700 2730,2700 2730,0 0,0
DSI_VDD12 on Mid Layer 1 "VDDA" (solid, pour order 1): 1960,1390 2150,1390 2150,1215 1960,1215
VDDA on Mid Layer 1 "VDDA_L02_P000" (solid, pour order 0): 560,1040 1050,1040 1050,1160 560,1160
GND on Top Layer "VDDA" (solid, pour order 3): 0,0 2730,0 2730,2700 0,2700
GND on Mid Layer 2 "VDDA" (solid, pour order 4): 0,0 2730,0 2730,2700 0,2700
GND on Bottom Layer "VDDA" (solid, pour order 5): 0,2700 2730,2700 2730,0 0,0

## Silkscreen, mask and mechanical layers (free items; w line width, h text height)
Mechanical 13:
  lines w1: 0,0 0,2700 2730,2700 2730,1460 2730,280 2730,0 850,0 0,0